# Altium PCB PCB1.PcbDoc (part 1 of 2) (continued)
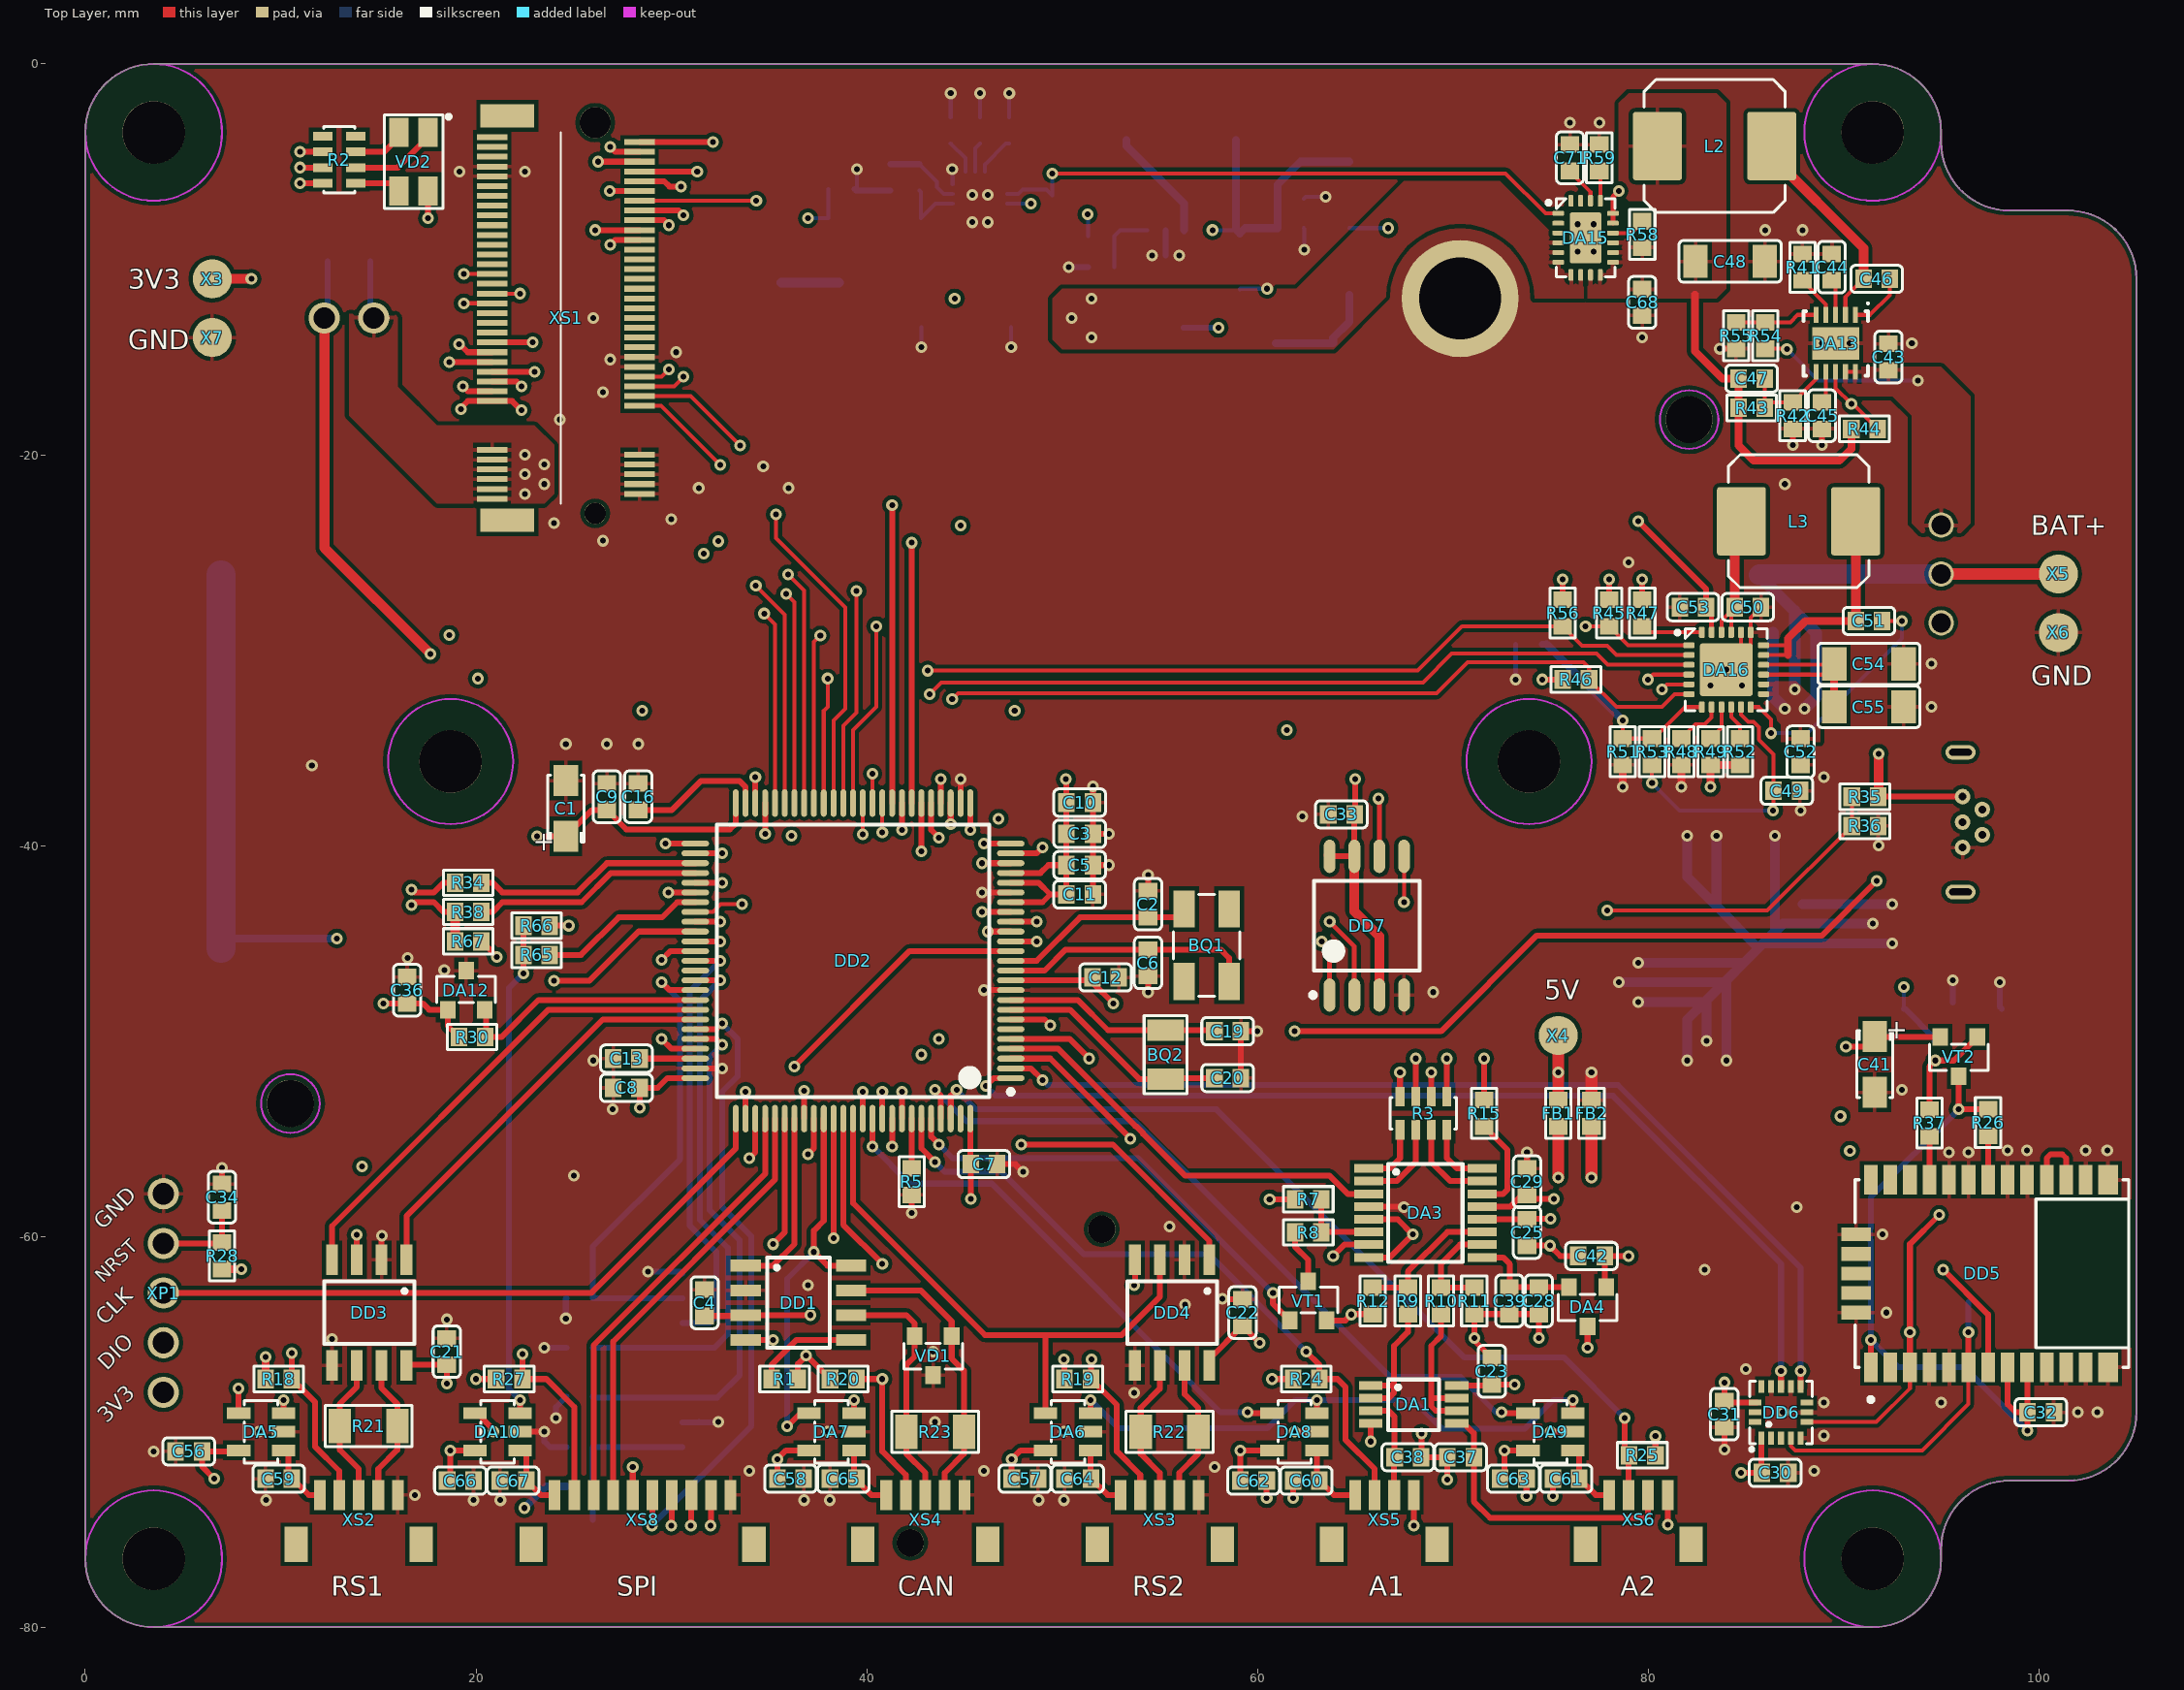
[diagram p0: Top Layer view]
## Footprints (in the part's own frame and the unit in brackets; to place one, negate y for a bottom-side part, rotate by r counter-clockwise, add the part's x,y. Pads: shape width x height; smd on the part's side, far side on the other; paste and mask are expansions set on the pad) (continued)
LED_RGB [mm]
  rect 1.5x1 smd: 1(-1.5,0.75) 2(1.5,0.75) 3(1.5,-0.75) 4(-1.5,-0.75)
  silkscreen extent -2.4,-1.5 2.4,1.9, body extent -1.75,-1.4 1.75,1.4, height 1.9
LGA-16 [mm]
  rect 0.65x0.3 smd mask+0.05: 1(-1.325,1) 2(-1.325,0.5) 3(-1.325,0) 4(-1.325,-0.5) 5(-1.325,-1) 9(1.325,-1) 10(1.325,-0.5) 11(1.325,0) 12(1.325,0.5) 13(1.325,1)
  rect 0.3x0.65 smd mask+0.05: 6(-0.5,-1.325) 7(0,-1.325) 8(0.5,-1.325) 14(0.5,1.325) 15(0,1.325) 16(-0.5,1.325)
  silkscreen extent -1.98,-1.6 1.6,1.6, body extent -1.5,-1.5 1.5,1.5, height 1.01
LQFP100 [mm]
  oval 1.4x0.3 smd: 1(-8.075,6) 2(-8.075,5.5) 3(-8.075,5) 4(-8.075,4.5) 5(-8.075,4) 6(-8.075,3.5) 7(-8.075,3) 8(-8.075,2.5) 9(-8.075,2) 10(-8.075,1.5) 11(-8.075,1) 12(-8.075,0.5) 13(-8.075,0) 14(-8.075,-0.5) 15(-8.075,-1) 16(-8.075,-1.5) 17(-8.075,-2) 18(-8.075,-2.5) 19(-8.075,-3) 20(-8.075,-3.5) 21(-8.075,-4) 22(-8.075,-4.5) 23(-8.075,-5) 24(-8.075,-5.5) 25(-8.075,-6) 51(8.075,-6) 52(8.075,-5.5) 53(8.075,-5) 54(8.075,-4.5) 55(8.075,-4) 56(8.075,-3.5) 57(8.075,-3) 58(8.075,-2.5) 59(8.075,-2) 60(8.075,-1.5) 61(8.075,-1) 62(8.075,-0.5) 63(8.075,0) 64(8.075,0.5) 65(8.075,1) 66(8.075,1.5) 67(8.075,2) 68(8.075,2.5) 69(8.075,3) 70(8.075,3.5) 71(8.075,4) 72(8.075,4.5) 73(8.075,5) 74(8.075,5.5) 75(8.075,6)
  oval 0.3x1.4 smd: 26(-6,-8.075) 27(-5.5,-8.075) 28(-5,-8.075) 29(-4.5,-8.075) 30(-4,-8.075) 31(-3.5,-8.075) 32(-3,-8.075) 33(-2.5,-8.075) 34(-2,-8.075) 35(-1.5,-8.075) 36(-1,-8.075) 37(-0.5,-8.075) 38(0,-8.075) 39(0.5,-8.075) 40(1,-8.075) 41(1.5,-8.075) 42(2,-8.075) 43(2.5,-8.075) 44(3,-8.075) 45(3.5,-8.075) 46(4,-8.075) 47(4.5,-8.075) 48(5,-8.075) 49(5.5,-8.075) 50(6,-8.075) 76(6,8.075) 77(5.5,8.075) 78(5,8.075) 79(4.5,8.075) 80(4,8.075) 81(3.5,8.075) 82(3,8.075) 83(2.5,8.075) 84(2,8.075) 85(1.5,8.075) 86(1,8.075) 87(0.5,8.075) 88(0,8.075) 89(-0.5,8.075) 90(-1,8.075) 91(-1.5,8.075) 92(-2,8.075) 93(-2.5,8.075) 94(-3,8.075) 95(-3.5,8.075) 96(-4,8.075) 97(-4.5,8.075) 98(-5,8.075) 99(-5.5,8.075) 100(-6,8.075)
  silkscreen extent -8.2,-6.97 6.98,6.98, body extent -8,-8 8,8, height 1.6
M.2 [mm]
  rect 1.2x2.75 smd: 0(-10.35,3) 0(10.35,3)
  round 1.1 hole 1.1 unplated: 0(-10,-1.5)
  round 1.6 hole 1.6 unplated: 0(10,-1.5)
  rect 0.3x1.55 smd: 1(-9.25,3.775) 2(-8.75,3.775) 3(-8.25,3.775) 4(-7.75,3.775) 5(-7.25,3.775) 6(-6.75,3.775) 7(-4.25,3.775) 8(-3.75,3.775) 9(-3.25,3.775) 10(-2.75,3.775) 11(-2.25,3.775) 12(-1.75,3.775) 13(-1.25,3.775) 14(-0.75,3.775) 15(-0.25,3.775) 16(0.25,3.775) 17(0.75,3.775) 18(1.25,3.775) 19(1.75,3.775) 20(2.25,3.775) 21(2.75,3.775) 22(3.25,3.775) 23(3.75,3.775) 24(4.25,3.775) 25(4.75,3.775) 26(5.25,3.775) 27(5.75,3.775) 28(6.25,3.775) 29(6.75,3.775) 30(7.25,3.775) 31(7.75,3.775) 32(8.25,3.775) 33(8.75,3.775) 34(9.25,3.775) 35(9,-3.775) 36(8.5,-3.775) 37(8,-3.775) 38(7.5,-3.775) 39(7,-3.775) 40(6.5,-3.775) 41(6,-3.775) 42(5.5,-3.775) 43(5,-3.775) 44(4.5,-3.775) 45(4,-3.775) 46(3.5,-3.775) 47(3,-3.775) 48(2.5,-3.775) 49(2,-3.775) 50(1.5,-3.775) 51(1,-3.775) 52(0.5,-3.775) 53(0,-3.775) 54(-0.5,-3.775) 55(-1,-3.775) 56(-1.5,-3.775) 57(-2,-3.775) 58(-2.5,-3.775) 59(-3,-3.775) 60(-3.5,-3.775) 61(-4,-3.775) 62(-4.5,-3.775) 63(-7,-3.775) 64(-7.5,-3.775) 65(-8,-3.775) 66(-8.5,-3.775) 67(-9,-3.775)
  silkscreen extent -9.5,0.25 9.5,0.25, body extent -10.95,-4.3 10.95,4.4, height 4.09
MSOP8 [mm]
  rect 1.2x0.45 smd: 1(-2.2,0.975) 2(-2.2,0.325) 3(-2.2,-0.325) 4(-2.2,-0.975) 5(2.2,-0.975) 6(2.2,-0.325) 7(2.2,0.325) 8(2.2,0.975)
  silkscreen extent -1.3,-1.32 1.3,1.28, body extent -2.47,-1.55 2.47,1.55, height 1.1
NFE61P [mm]
  rect 2x1.6 smd: 1(-3.4,0) 2(3.4,0)
  rect 1.5x2.6 smd: 3(0,0)
  silkscreen extent -3,-1 3,1, body extent -3.4,-0.8 3.4,0.8, height 1.6
PLS-2 [mm]
  round 1.6 hole 1.1: 1(-1.27,0) 2(1.27,0)
  body extent -2.54,-1.27 2.54,1.27, height 8.54
PLS-5 [mm]
  round 1.6 hole 1.1: 1(-5.08,0) 2(-2.54,0) 3(0,0) 4(2.54,0) 5(5.08,0)
  body extent -6.35,-1.3 6.35,1.24, height 8.54
R0603 [mm]
  rect 0.85x0.95 smd: 1(-0.675,0) 2(0.675,0)
  silkscreen extent -1.28,-0.65 1.28,0.65, body extent -0.8,-0.4 0.8,0.4, height 0.45
R1206 [mm]
  rect 1.15x1.75 smd: 1(-1.475,0) 2(1.475,0)
  silkscreen extent -2.22,-1.05 2.22,1.05, body extent -1.5,-0.77 1.51,0.78, height 0.55
SIM_CARD_READER2 [mm]
  round 1.4 hole 1.4 unplated: 0(0.935,7.885) 0(10.735,-8.165)
  rect 2.95x1.5 smd: 0(9.965,-10.275) 0(9.965,10.275)
  rect 2.3x1 smd: 1(-10.735,2.985) 2(-10.735,1.715) 3(-10.735,0.445) 4(-10.735,-0.825) 5(-10.735,-2.095) 6(-10.735,-3.365) 7(-10.735,-4.635) 8(-10.735,-5.905)
  silkscreen extent -11.4,-9.8 15.2,9.8, body extent -11.34,-10.39 15.16,10.56, height 1.94
SMTS-102 [mm]
  round 1.3 hole 1 mask+0.07: 1(-2.5,0) 2(0,0) 3(2.5,0)
  silkscreen extent -4.2,-2.7 4.2,2.7, body extent -4.1,-2.7 4.97,2.7, height 22.9
SOD323F [mm]
  rect 0.6x0.6 smd: 1(-1.1,0) 2(1.1,0)
  silkscreen extent -1.4,-0.8 1.4,0.8, body extent -1.35,-0.68 1.35,0.67, height 0.79
SOIC8 [mm]
  rect 1.55x0.6 smd: 1(-2.7,1.905) 2(-2.7,0.635) 3(-2.7,-0.635) 4(-2.7,-1.905) 5(2.7,-1.905) 6(2.7,-0.635) 7(2.7,0.635) 8(2.7,1.905)
  Top Layer region: -2.7,1.905 -2.7,1.905 -2.7,1.905 -2.7,1.905
  silkscreen extent -1.6,-2.29 1.6,2.31, body extent -3,-2.45 3,2.45, height 1.75
SOIC8_208 [mm]
  oval 1.7x0.6 smd: 1(-3.55,1.905) 2(-3.55,0.635) 3(-3.55,-0.635) 4(-3.55,-1.905) 5(3.55,-1.905) 6(3.55,-0.635) 7(3.55,0.635) 8(3.55,1.905)
  silkscreen extent -3.67,-2.7 2.3,2.88, body extent -4.1,-2.7 4.1,2.7, height 2.1
SON-10 [mm] "SON, 10-Leads, Body 3,00x3,00mm, Pitch 0,50mm, Thermal Pad 2,40x1,65mm, IPC Medium Density"
  rect 0.8x0.25 smd: 1(-1.46,1) 2(-1.46,0.5) 3(-1.46,0) 4(-1.46,-0.5) 5(-1.46,-1) 6(1.46,-1) 7(1.46,-0.5) 8(1.46,0) 9(1.46,0.5) 10(1.46,1)
  rect 1.65x2.4 smd: 11(0,0)
  silkscreen extent -2.1,-1.65 1.65,1.7, body extent -1.5,-1.5 1.5,1.5, height 0.87
SOT-23 [mm]
  rect 0.8x0.9 smd: 1(0.95,1) 2(-0.95,1) 3(0,-1)
  silkscreen extent -1.5,-0.7 1.5,0.63, body extent -1.46,-1.2 1.46,1.2, height 0.98
SOT-23-5 [mm]
  rect 1.2x0.6 smd: 1(-1.15,0.95) 2(-1.15,0) 3(-1.15,-0.95) 4(1.15,-0.95) 5(1.15,0.95)
  silkscreen extent -0.85,-1.6 0.85,1.6, body extent -1.5,-1.5 1.5,1.5, height 1.3
Test_point#1 [mm]
  round 2 smd mask+0.07: 1(0,0)
Test_point#2 [mm]
  round 2 smd mask+0.07: 1(0,0.2)
TSSOP-16 [mm]
  rect 1.5x0.45 smd: 1(-2.9,2.275) 2(-2.9,1.625) 3(-2.9,0.975) 4(-2.9,0.325) 5(-2.9,-0.325) 6(-2.9,-0.975) 7(-2.9,-1.625) 8(-2.9,-2.275) 9(2.9,-2.275) 10(2.9,-1.625) 11(2.9,-0.975) 12(2.9,-0.325) 13(2.9,0.325) 14(2.9,0.975) 15(2.9,1.625) 16(2.9,2.275)
  silkscreen extent -1.9,-2.5 1.9,2.5, body extent -3.25,-2.55 3.25,2.55, height 1.06
USB3145-30-1 [mm] "Vertical Micro USB"
  oval 0.75x1.55 hole 0.35 slot 1.15 at 90 deg mask+0.07: 0(-3.575,0.11) 0(3.575,0.11)
  round 0.8 hole 0.4 mask+0.07: 1(-1.3,0) 2(-0.65,-1) 3(0,0) 4(0.65,-1) 5(1.3,0)
  silkscreen extent -3.4,-2.25 3.4,1.75, body extent -3.7,-2.24 3.7,1.76, height 6
VQFN-24 [mm]
  rrect50% 0.58x0.3 smd mask+0.07: 1(-1.913,1.25) 2(-1.913,0.75) 3(-1.913,0.25) 4(-1.913,-0.25) 5(-1.913,-0.75) 6(-1.913,-1.25) 13(1.913,-1.25) 14(1.913,-0.75) 15(1.913,-0.25) 16(1.913,0.25) 17(1.913,0.75) 18(1.913,1.25)
  rrect50% 0.3x0.58 smd mask+0.07: 7(-1.25,-1.913) 8(-0.75,-1.913) 9(-0.25,-1.913) 10(0.25,-1.913) 11(0.75,-1.913) 12(1.25,-1.913) 19(1.25,1.913) 20(0.75,1.913) 21(0.25,1.913) 22(-0.25,1.913) 23(-0.75,1.913) 24(-1.25,1.913)
  rrect10% 2.7x2.7 smd mask+0.07: 25(0,0)
  silkscreen extent -2.6,-2.1 2.1,2.1, body extent -2.05,-2.05 2.05,2.05, height 1.05
WQFN-20 [mm]
  rrect50% 0.6x0.25 smd mask+0.07: 1(-1.4,1.25) 2(-1.4,0.75) 3(-1.4,0.25) 4(-1.4,-0.25) 5(-1.4,-0.75) 6(-1.4,-1.25) 11(1.4,-1.25) 12(1.4,-0.75) 13(1.4,-0.25) 14(1.4,0.25) 15(1.4,0.75) 16(1.4,1.25)
  rrect50% 0.25x0.6 smd mask+0.07: 7(-0.75,-1.9) 8(-0.25,-1.9) 9(0.25,-1.9) 10(0.75,-1.9) 17(0.75,1.9) 18(0.25,1.9) 19(-0.25,1.9) 20(-0.75,1.9)
  rrect10% 1.6x2.6 smd mask+0.07: 21(0,0)
  silkscreen extent -2,-2 1.5,2, body extent -1.51,-2.01 1.51,2.01, height 0.81
С0603 [mm]
  rect 0.85x0.95 smd: 1(-0.675,0) 2(0.675,0)
  silkscreen extent -1.32,-0.7 1.32,0.7, body extent -0.8,-0.4 0.8,0.4, height 0.9
СI1104М1V [mm] "4pin"
  rect 1.2x1.8 smd: 0(-2.7,-1.262) 0(2.7,-1.262)
  rect 0.6x1.55 smd: 1(-1.5,1.262) 2(-0.5,1.262) 3(0.5,1.262) 4(1.5,1.262)
  body extent -3,-1.86 3,1.04, height 4.25
СI1105М1V [mm] "5pin"
  rect 1.2x1.8 smd: 0(-3.2,-1.262) 0(3.2,-1.262)
  rect 0.6x1.55 smd: 1(-2,1.262) 2(-1,1.262) 3(0,1.262) 4(1,1.262) 5(2,1.262)
  body extent -3.5,-1.86 3.5,1.04, height 4.25
СI1110М1V [mm] "8pin"
  rect 1.2x1.8 smd: 0(-5.7,-1.262) 0(5.7,-1.262)
  rect 0.6x1.55 smd: 1(-4.5,1.262) 2(-3.5,1.262) 3(-2.5,1.262) 4(-1.5,1.262) 5(-0.5,1.262) 6(0.5,1.262) 7(1.5,1.262) 8(2.5,1.262) 9(3.5,1.262) 10(4.5,1.262)
  body extent -6,-1.86 6,1.04, height 4.25

## Part data
C30: library part C
DA3: library part ADC1220
DA5 DA6 DA7 DA8 DA9 DA10: library part STMPS21x1
DA11 DA12: library part DRV5032
DD3 DD4: library part MAX13487, "RS485"
DD5: "GPS"
DD6: "Accelerometr"
DD7: "RAM"
FB1 FB2: library part R
L1 L2 L3: library part L
R50: library part R_term_n
SA1: library part Button
VD2: library part LED_RGB
VD3: library part VD_sh
VT1: library part N-channel
VT2: library part P-channel
X2: library part 18650_holder
X3 X4 X5 X6 X7: library part Test_point
XP2: library part 2pin
XS2 XS3 XS4: library part 5pin
XS5 XS6: library part 4pin
XS7: library part USB
XS8: library part 10pin
Z1: library part Filter

## Free pads (board coordinates)
  round 3.2 hole 3.2 unplated: 0(3.5,-76.5) 0(3.5,-3.5) 0(91.5,-76.5) 0(91.5,-3.5)
  round 6 hole 4.2: 0(70.375,-12)

## Via types
v1: diameter 0.6, hole 0.3, Top Layer to Bottom Layer, tented both sides, 402 vias
v2: diameter 0.6, hole 0.3, Top Layer to Bottom Layer, 12 vias

## Nets (pads, with @x,y where several pads share a name; then routed paths per layer and width w, separated by ;. In a path a pad name is that pad's centre, name@x,y a point inside that pad or via, vN(x,y) a via of type N, cw(c..) or ccw(c..) an arc to the next point about the centre after c; other vN are vias at no path point)
2V5: C28.1 C39.1 DA3.9 DA4.2 | length 5.8
  Top Layer w0.3: DA3.9@71.5,-61.075 72.575,-61.075 72.924,-61.424 72.924,-62.601 DA4.2@75.95,-62.601
3V3: C1.1 C3.1 C4.1 C5.1 C7.1 C8.1 C9.1 C10.1 C11.1 C12.1 C21.1 C22.1 C29.1 C30.1 C31.1 C33.1 C35.1 C36.1 C41.1 C42.1 DA3.13 DA4.1 DA11.1 DA12.1 DD1.3 DD2.11 DD2.19 DD2.21 DD2.22 DD2.28 DD2.50 DD2.75 DD2.100 DD3.8 DD4.8 DD6.1 DD6.14 DD7.3 DD7.7 DD7.8 R1.1 R6.2 R16.1 R16.2 R18.1 R19.1 R20.1 R24.1 R25.1 R27.1 R28.2 R29.2 R30.2 R31.2 R32.2 R33.1 R45.2 R46.2 R47.2 R56.2 R66.2 R67.2 VD2.2 VT2.2 X3.1 XP1.1 XS1.59 XS1.60 Z1.2 | length 118.9
  Top Layer w0.2: XS1.60@28.375,-16.5 30.15,-16.5 30.625,-16.025 v1(30.625,-16) ; XS1.59@28.375,-16 29.5,-16 v1(29.875,-15.625)
  Top Layer w0.3: v1(15.25,-48.075) C36.1@16.475,-48.075 17.275,-48.075 17.6,-48.4 DA12.1@18.55,-48.4 18.55,-49.225 R30.2@19.125,-49.8 ; DD3.8@16.44,-66.6 16.465,-66.575 C21.1@18.5,-66.575 v1(18.5,-67.525) ; v1(17.55,-7.9) VD2.2@17.55,-6.5 ; v1(20,-67.3) R27.1@21.025,-67.3 ; R67.2@20.275,-44.9 v1(21.075,-45.7) v1@21.1,-45.7 ; v1(23.125,-39.525) C1.1@24.6,-39.525 25.95,-38.175 C9.1@26.7,-38.175 27.7,-39.175 33,-39.175 33.3,-38.875 DD2.50@33.3,-37.825 ; R66.2@23.775,-44.1 v1(24.75,-44.1) ; v1(28.375,-53.425) C8.1@28.375,-52.4 29.3,-52.4 29.8,-51.9 DD2.75@31.225,-51.9 ; C4.1@31.7,-64.075 33.76,-64.075 DD1.3@33.8,-64.035 37.115,-64.035 v1(37.125,-64.025) ; R1.1@36.475,-67.3 36.475,-66.525 v1(36.9,-66.1) 36.925,-66.1 R20.1@38.125,-67.3 ; v1(44.3,-38.9) DD2.28@44.3,-37.825 ; DD2.100@45.3,-53.975 45.3,-56.275 C7.1@45.325,-56.3 v1(45.325,-58.075) ; DD2.11@47.375,-46.9 51.4,-46.9 C12.1@51.55,-46.75 51.55,-47 v1(52.625,-48.075) ; DD2.19@47.375,-42.9 49,-42.9 49.4,-42.5 ; DD2.21@47.375,-41.9 48.8,-41.9 49.4,-42.5 ; DD2.22@47.375,-41.4 48.9,-41.4 49.3,-41 C5.1@50.225,-41 ; v1(50.1,-66.3) 50.125,-66.325 R19.1@50.125,-67.3 ; v1(50.2,-36.6) 50.225,-36.625 C10.1@50.225,-37.8 C3.1@50.225,-39.4 C5.1@50.225,-41 ; DD4.8@57.54,-66.6 57.54,-66.271 C22.1@59.235,-64.575 60.11,-65.45 v1(60.125,-65.45) ; v1(60.75,-67.3) R24.1@61.825,-67.3 ; DD7.8@63.695,-40.55 DD7.7@64.965,-40.55 64.965,-38.41 C33.1@64.975,-38.4 65,-38.375 v2(65,-36.6) ; DA3.13@71.5,-58.475 72.95,-58.475 73.55,-57.875 C29.1@73.8,-57.875 74,-58.075 v1(75.175,-58.075) v1@75.3,-58.075 ; v1(74.575,-31.5) R46.2@75.625,-31.5 ; R56.2@75.625,-27.425 v1(75.625,-26.375) ; DA4.1@77.85,-62.599 77.775,-62.524 C42.1@77.775,-61 v1(79,-61) ; R45.2@78,-27.425 v1(78,-26.375) ; R47.2@79.7,-27.425 v1(79.7,-26.375) ; R25.1@80.375,-71.2 v1(80.375,-70.225) ; v1(83.9,-67.475) C31.1@83.9,-68.425 83.975,-68.5 DD6.14@85.575,-68.5 ; v1(84.75,-72.1) C30.1@85.825,-72.1 85.8,-72.075 DD6.1@85.8,-70.225 ; v1(90.125,-50.3) 91.075,-50.3 C41.1@91.6,-49.775 ; C41.1@91.6,-49.8 VT2.2@94.95,-49.8 ; 49.4,-42.5 C11.1@50.225,-42.5 C5.1@50.225,-41
  Top Layer w0.4: R28.2@7,-61.67 7.995,-61.67 v1(8,-61.675) ; R18.1@9.225,-67.3 v1(9.225,-66.175)
  Top Layer w0.5: X3.1@6.5,-11 v1(8.5,-11) ; DD7.8@63.645,-40.5 DD7.8@63.695,-40.55 ; DD7.7@64.965,-40.55 64.965,-43.365 66.235,-44.635 DD7.3@66.235,-47.65
  Bottom Layer w0.4: R16.2@60.925,-14.3 R16.1@63.875,-14.3 63.875,-14.025 64.7,-13.2 Z1.2@64.7,-11.8
5V: C24.1 C56.2 C57.2 C58.2 C66.2 C72.1 DA2.4 DA2.5 DA2.6 DA5.5 DA6.5 DA7.5 DA10.5 DA14.4 DA14.5 DA14.6 DA14.7 DA14.8 DA15.4 DA15.5 DA15.6 DA15.7 DA15.8 FB1.2 R4.2 R60.2 X4.1 | length 18
  Top Layer w0.3: v1(6.6,-72.4) 5.975,-71.775 C56.2@5.975,-71 7.8,-71 DA5.5@7.85,-70.95 ; C66.2@18.525,-72.5 18.675,-72.35 v1(18.675,-70.95) DA10.5@19.95,-70.95 ; C58.2@35.425,-72.4 v1(35.425,-71.4) 35.875,-70.95 DA7.5@37.05,-70.95 ; C57.2@47.425,-72.4 v1(47.425,-71.4) 47.875,-70.95 DA6.5@49.05,-70.95
  Top Layer w0.6: FB1.2@75.4,-53.025 v1(75.4,-51.6) X4.1@75.4,-49.725
  Bottom Layer w0.4: v1(22.475,-73.9) 23.59,-72.785 R4.2@24.625,-72.785
  other v1: 51.5,-14 50.5,-13 51.5,-12
5V_ADC: C23.1 C25.1 C62.2 C63.2 DA1.8 DA3.12 DA8.5 DA9.5 FB1.1 | length 15.1
  Top Layer w0.3: C62.2@59.125,-72.5 v1(59.125,-70.95) DA8.5@60.75,-70.95 ; DA1.8@70.201,-67.625 C23.1@71.95,-67.625 ; DA3.12@71.5,-59.125 C25.1@73.8,-59.125 ; C23.1@71.999,-67.575 v1(73.175,-67.575) v1@73.2,-67.6 ; C63.2@72.425,-72.4 72.65,-72.175 v1(72.65,-70.95) DA9.5@73.85,-70.95 ; C25.1@73.8,-59.225 C25.1@73.8,-59.125 ; v1(75,-59.1) 73.825,-59.1 C25.1@73.8,-59.125
  Top Layer w0.6: v1(75.4,-57) FB1.1@75.4,-54.375
5V_BAT: C47.1 C48.1 C68.1 DA15.9 DA15.10 DA15.11 DA15.12 DA15.13 L2.1 R43.2 R44.1 R58.2 | length 16.5
  Top Layer w0.4: 82.4,-11.8 82.4,-14.7 83.8,-16.1 C47.1@84.625,-16.1 R43.2@84.625,-17.6 84.625,-19.525 85.4,-20.3 89.8,-20.3 90.4,-19.7 R44.1@90.4,-18.675
5V_POE: C53.2 C69.1 DA14.9 DA14.10 DA14.11 DA14.12 DA14.13 DA16.23 R17.1 R17.2 R39.2 R63.2 VD3.1 XP2.2 XS1.1 XS1.2 XS1.3 XS1.4 XS1.5 XS1.6 | length 54.2
  Top Layer w0.25: C53.2@82.975,-27.8 83.25,-28.075 DA16.23@83.25,-29.087
  Top Layer w0.3: v2(79.5,-23.4) 82.975,-26.875 C53.2@82.975,-27.8
  IN1 w0.3: v2(44.5,-12) 44.5,-14.3 53.6,-23.4 v2(79.5,-23.4)
  Bottom Layer w0.3: VD3.1@14.6,-10.1 14.6,-12.83 XP2.2@14.77,-13
  Bottom Layer w0.5: R17.2@35.625,-11.2 R17.1@38.575,-11.2
  other v1: 22.5,-22 23.5,-21.5 22.5,-21 23.5,-20.5 22.5,-20
5V_USB: R35.1 VD3.2 XP2.1 XS7.1 | length 105.2
  Top Layer w0.3: R35.1@91.775,-37.5 XS7.1@96.1,-37.5
  Top Layer w0.5: XP2.1@12.245,-13.025 12.245,-24.77 v1(17.675,-30.2) ; R35.1@91.775,-37.5 91.8,-37.475 v2(91.8,-35.3)
  IN1 w0.5: v1(17.675,-30.2) 77.3,-30.2 82.4,-35.3 v2(91.8,-35.3)
  Bottom Layer w0.3: XP2.1@12.23,-13 12.4,-12.83 VD3.2@12.4,-10.1
ACC_IN1: DD2.1 DD6.11 | length 52.3
  Top Layer w0.3: v1(46.1,-52.3) 46.5,-51.9 DD2.1@47.375,-51.9 ; DD6.11@86.8,-67.775 86.8,-67 v1(86.8,-66.9)
  Bottom Layer w0.3: v1(46.1,-52.3) 46.6,-52.8 78.2,-52.8 86.8,-61.4 v1(86.8,-66.9)
ACC_IN2: DD2.2 DD6.9 | length 50.8
  Top Layer w0.3: DD2.2@47.375,-51.4 48.4,-51.4 v1(49,-52) ; DD6.9@87.8,-67.775 v1(87.8,-66.9)
  Bottom Layer w0.3: v1(49,-52) 49.25,-52.25 78.45,-52.25 87.8,-61.6 v1(87.8,-66.9)
ADC_CLK: DA3.3 DD2.4 | length 21.4
  Top Layer w0.3: DD2.4@47.375,-50.4 49.8,-50.4 53.75,-54.35 53.769,-54.35 54.15,-54.731 54.15,-54.75 56.3,-56.9 63.7,-56.9 64.625,-57.825 DA3.3@65.7,-57.825
ADC_READY: DD2.7 R15.2 | length 27.1
  Top Layer w0.3: DD2.7@47.375,-48.9 49.1,-48.9 v1(49.4,-49.2) ; R15.2@71.5,-52.925 71.6,-52.825 v1(71.6,-50.9)
  IN1 w0.3: v1(49.4,-49.2) 50.8,-49.2 51.8,-50.2 70.9,-50.2 v1(71.6,-50.9)
AGND: C23.2 C25.2 C28.2 C37.2 C38.2 C39.2 C42.2 C60.2 C61.2 C62.1 C63.1 DA1.4 DA3.5 DA3.8 DA4.3 DA8.2 DA9.2 FB2.1 R11.2 R12.2 VT1.2 XS5.4 XS6.4 | length 35.2
  Top Layer w0.3: v1(60.475,-73.4) C62.1@60.475,-72.5 ; v1(61.825,-73.4) C60.2@61.825,-72.5 ; v1(61.9,-70) DA8.2@63.05,-70 ; VT1.2@63.55,-64.299 64.501,-64.299 v1(64.8,-64) 64.825,-63.975 R12.2@65.901,-63.975 ; DA3.8@65.7,-61.075 66.775,-61.075 v1(67.95,-59.9) 67.175,-59.125 DA3.5@65.7,-59.125 ; v1@65.801,-70.499 DA1.4@65.801,-69.575 ; v1(68,-74.8) XS5.4@68,-73.238 ; v1(68.4,-70.1) 68.4,-71.125 68.3,-71.225 C38.2@68.375,-71.3 C37.2@69.725,-71.3 v1(69.725,-72.45) ; C23.2@71.999,-66.225 71.101,-65.327 v1(71.101,-65.199) R11.2@71.101,-63.975 C39.2@72.9,-63.975 ; C39.2@72.9,-63.975 C28.2@74.4,-63.976 ; v1(73.775,-73.3) C63.1@73.775,-72.4 ; C25.2@73.8,-60.475 v1(74.975,-60.475) 75.5,-61 C42.2@76.425,-61 ; v1(74.4,-65.2) C28.2@74.4,-63.976 ; v1(75,-70) DA9.2@76.15,-70 ; v1(75.125,-73.3) C61.2@75.125,-72.4 ; v1(76.9,-65.7) DA4.3@76.9,-64.599 ; v1(81,-74.75) XS6.4@81,-73.238
  Top Layer w0.6: v1(77.1,-57) FB2.1@77.1,-54.375
  other v1: 65.8,-70.5
AN1_CONNECTED: DD2.95 R24.2 XS5.2 | length 34.9
  Top Layer w0.3: DD2.95@42.8,-53.975 42.8,-55.5 v1(43.5,-56.2) ; v1(62.5,-65.9) 63.175,-66.575 R24.2@63.175,-67.3 64.1,-67.3 64.5,-67.7 64.5,-70.4 66,-71.9 XS5.2@66,-73.238
  Bottom Layer w0.3: v1(43.5,-56.2) 44,-56.7 46.9,-56.7 51.1,-60.9 57.5,-60.9 v1(62.5,-65.9)
AN1_SIGNAL: C38.1 DA1.3 XS5.3 | length 5.4
  Top Layer w0.3: DA1.3@65.801,-68.925 66.725,-68.925 67.025,-69.225 C38.1@67.025,-71.3 67,-71.325 XS5.3@67,-73.238
AN1_VCC_EN: DA8.4 DD2.90 | length 27.5
  Top Layer w0.3: v1(40.3,-55.4) DD2.90@40.3,-53.975 ; v1(59.5,-69) 59.55,-69.05 DA8.4@60.75,-69.05
  Bottom Layer w0.3: v1(40.3,-55.4) 42.2,-57.3 46.4,-57.3 58.1,-69 v1(59.5,-69)
AN2_CONNECTED: DD2.98 R25.2 XS6.2 | length 46.8
  Top Layer w0.3: DD2.98@44.3,-53.975 44.3,-52.8 v1(44.6,-52.5) ; v1(78.8,-69.3) 78.8,-70.975 R25.2@79.025,-71.2 79,-71.225 XS6.2@79,-73.238
  Bottom Layer w0.3: v1(44.6,-52.5) 45.6,-53.5 57.9,-53.5 70.6,-66.2 75.7,-66.2 v1(78.8,-69.3)
AN2_SIGNAL: C37.1 DA1.5 XS6.3 | length 15
  Top Layer w0.3: DA1.5@70.201,-69.575 70.575,-69.575 71.075,-70.075 C37.1@71.075,-71.3 71.075,-73.575 71.9,-74.4 79.9,-74.4 80,-74.3 XS6.3@80,-73.238
AN2_VCC_EN: DA9.4 DD2.97 | length 38.8
  Top Layer w0.3: v1(43.5,-52.5) 43.8,-52.8 DD2.97@43.8,-53.975 ; v1(72.5,-69) 72.55,-69.05 DA9.4@73.85,-69.05
  Bottom Layer w0.3: v1(43.5,-52.5) 45.1,-54.1 53.7,-54.1 66.8,-67.2 70.4,-67.2 72.2,-69 v1(72.5,-69)
BAT+: C52.2 DA16.13 DA16.14 SA1.2 X2.4 X5.1 | length 31.8
  Top Layer w0.6: SA1.2@95,-26.1 X5.1@101,-26.1
  Bottom Layer w0.6: X2.4@85.65,-26.15 X2.4@87.5,-28 ; X2.4@86.4,-29.1 86.4,-32.4 v1(87,-33) ; v1(87.5,-32) X2.4@87.5,-28 ; v1(88,-33) 88.6,-32.4 88.6,-29.1 X2.4@87.5,-28
  Bottom Layer w1: X2.4@85.65,-26.15 85.7,-26.1 SA1.2@95,-26.1
BAT/2: R49.2 R52.2 X2.2 X2.3 | length 106.2
  Top Layer w0.4: v1(83.2,-37) R49.2@83.2,-35.875 R52.2@84.7,-35.875
  IN1 w0.4: v1(12.875,-44.75) 17.325,-40.3 24.6,-40.3 30.8,-34.1 v1(61.5,-34.1) 66.125,-34.1 71.875,-39.85 80.35,-39.85 v1(83.2,-37)
  Bottom Layer w0.4: X2.2@6.95,-45.25 7.45,-44.75 v1(12.875,-44.75)
  Bottom Layer w1.5: X2.2@6.95,-45.25 X2.3@6.95,-26.15
BAT/4: DA3.6 R7.2 R8.2 | length 3.8
  Top Layer w0.3: R8.2@63.276,-59.8 R8.2@63.3,-59.775 ; R8.2@63.275,-59.799 R7.2@63.275,-58.1 ; R8.2@63.6,-59.775 DA3.6@65.7,-59.775
BAT_MES_EN: DD2.96 VT1.1 | length 23.5
  Top Layer w0.3: DD2.96@43.3,-53.975 43.3,-54.9 v1(43.7,-55.3) ; v1(60.8,-62.9) 60.8,-63.45 VT1.1@61.65,-64.299
  Bottom Layer w0.3: v1(43.7,-55.3) 44.4,-56 53.9,-56 v1(60.8,-62.9)
BAT_SW: C43.1 DA13.9 DA13.10 R7.1 R54.1 SA1.3 | length 72.3
  Top Layer w0.2: R54.1@86,-14.575 87.075,-14.575 v1(87.1,-14.6) ; DA13.9@90.1,-15.76 DA13.10@90.6,-15.76 ; C43.1@92.215,-15.76 C43.1@92.3,-15.675 C43.1@92.425,-15.8
  Top Layer w0.3: v1(60.625,-58.1) R7.1@61.925,-58.1 ; v2(61.9,-49.5) 69.4,-49.5 74.3,-44.6 88.9,-44.6 v2(91.7,-41.8)
  IN2 w0.3: v1(60.625,-58.1) 61.9,-56.825 v2(61.9,-49.5) ; v2(91.7,-41.8) 93.8,-39.7 93.8,-24.8 SA1.3@95,-23.6
  Bottom Layer w0.2: v1(87.1,-14.6) 88.7,-16.2 v1(93.8,-16.2)
C\S\_ADC: DD2.5 R3.7 | length 23.1
  Top Layer w0.3: DD2.5@47.375,-49.9 50.4,-49.9 51.375,-50.875 v1(51.375,-50.9) ; R3.7@68.1,-52.85 v1(68.1,-50.9)
  IN1 w0.3: v1(51.375,-50.9) v1(68.1,-50.9)
CAN1_RX: DD1.4 DD2.81 | length 13
  Top Layer w0.3: DD1.4@33.8,-65.305 35.195,-65.305 v1(35.2,-65.3) ; v1(35.2,-60.4) 35.8,-59.8 DD2.81@35.8,-53.975
  IN2 w0.3: v1(35.2,-65.3) v1(35.2,-60.4)
CAN1_TX: DD1.1 DD2.82 | length 9.4
  Top Layer w0.3: DD1.1@33.8,-61.495 35.205,-61.495 36.3,-60.4 DD2.82@36.3,-53.975
CAN_CONNECTED: DD2.87 R20.2 XS4.2 | length 21.9
  Top Layer w0.3: DD2.87@38.8,-53.975 38.8,-59.4 v1(40.8,-61.4) ; R20.2@39.475,-67.3 v1(40.8,-67.3) 40.8,-71 42,-72.2 XS4.2@42,-73.238
  IN2 w0.3: v1(40.8,-67.3) v1(40.8,-61.4)
CAN_H: DD1.7 R23.1 VD1.1 XS4.4 | length 15.4
  Top Layer w0.3: DD1.7@39.2,-62.765 42.765,-62.765 44.35,-64.35 VD1.1@44.35,-65.1 44.35,-66.25 44.975,-66.875 R23.1@44.975,-70 44.975,-71.125 44,-72.1 XS4.4@44,-73.238
CAN_L: DD1.6 R23.2 VD1.2 XS4.3 | length 12.8
  Top Layer w0.3: DD1.6@39.2,-64.035 42.035,-64.035 42.45,-64.45 VD1.2@42.45,-65.1 42.45,-66.15 42.025,-66.575 R23.2@42.025,-70 42.025,-71.125 43,-72.1 XS4.3@43,-73.238
CAN_VCC_EN: DA7.4 DD1.8 DD2.85 | length 20.1
  Top Layer w0.3: v1(35.925,-69.725) 36.6,-69.05 DA7.4@37.05,-69.05 ; DD2.85@37.8,-53.975 37.8,-59.2 37.3,-59.7 v1(37.3,-60.8) 37.995,-61.495 DD1.8@39.2,-61.495
  Bottom Layer w0.3: v1(35.925,-69.725) 35.925,-62.175 v1(37.3,-60.8)
CH_CD: DA16.3 DD2.37 | length 50.2
  Top Layer w0.2: v1(39.8,-39.425) DD2.37@39.8,-37.825 ; v1(43.225,-32.25) 43.825,-31.65 68.475,-31.65 69.95,-30.175 77.35,-30.175 77.925,-30.75 DA16.3@82.087,-30.75
  IN2 w0.2: v1(39.8,-39.425) 39.8,-37.925 41.15,-36.575 41.15,-34.325 v1(43.225,-32.25)
CH_I\N\T\: DA16.6 DD2.35 R46.1 | length 49.9
  Top Layer w0.2: v1(40.8,-39.325) DD2.35@40.8,-37.825 ; v1(44.375,-32.5) 44.675,-32.2 69.175,-32.2 70.75,-30.625 76.7,-30.625 76.975,-30.9 R46.1@76.975,-31.5 78.375,-32.9 80.7,-32.9 81.35,-32.25 DA16.6@82.087,-32.25
  IN2 w0.2: v1(40.8,-39.325) 40.8,-37.95 41.725,-37.025 41.725,-35.15 v1(44.375,-32.5)
CH_P\G\: DA16.1 DD2.38 R45.1 | length 51.5
  Top Layer w0.2: DD2.38@39.3,-37.825 39.3,-34.1 40.5,-32.9 v1(40.5,-28.775) ; v1(76.8,-28.775) R45.1@78,-28.775 78.975,-29.75 DA16.1@82.087,-29.75
  IN1 w0.2: v1(40.5,-28.775) v1(76.8,-28.775)
CH_STATUS: DA16.2 DD2.36 R56.1 | length 48.5
  Top Layer w0.2: DD2.36@40.3,-37.825 v1(40.3,-36.325) ; v1(43.125,-31.05) 68.2,-31.05 70.475,-28.775 R56.1@75.625,-28.775 76.625,-29.775 77.9,-29.775 78.375,-30.25 DA16.2@82.087,-30.25
  IN2 w0.2: v1(40.3,-36.325) 40.3,-33.875 v1(43.125,-31.05)
CH_TS: DA16.7 R50.2 R51.2 R53.1 | length 11.4
  Top Layer w0.2: v1(78.7,-33.6) R51.2@78.7,-34.525 80.275,-34.525 81.887,-32.912 DA16.7@82.75,-32.912
  Bottom Layer w0.35: R50.2@74.575,-29.7 R50.2@74.8,-29.7
  Bottom Layer w0.4: R50.2@74.8,-29.7 v1(78.7,-33.6)
CS_FLASH: DD2.15 DD7.1 | length 18.8
  Top Layer w0.25: v2(63.3,-44.9) 63.695,-45.295 DD7.1@63.695,-47.65
  Top Layer w0.3: DD2.15@47.375,-44.9 48.5,-44.9 v1(48.7,-44.9)
  IN1 w0.3: v1(48.7,-44.9) v2(63.3,-44.9)
ETH_CRS_DV: DD2.32 XS1.38 | length 39.8
  Top Layer w0.3: XS1.38@28.375,-5.5 v1(31.325,-5.5) ; DD2.32@42.3,-37.825 v1(42.3,-24.5)
  IN2 w0.3: v1(31.325,-5.5) 31.975,-6.15 31.975,-14.175 v1(42.3,-24.5)
ETH_MDC: DD2.16 XS1.40 | length 62.5
  Top Layer w0.3: v1(26.85,-6.5) XS1.40@28.375,-6.5 ; v1(46.2,-44.4) DD2.16@47.375,-44.4
  IN1 w0.2: v1(28.5,-33.1) v1(47.575,-33.1)
  IN2 w0.2: v1(26.85,-6.5) 25,-8.35 25,-29.6 v1(28.5,-33.1)
  IN2 w0.3: v1(46.2,-44.4) 47.575,-43.025 v1(47.575,-33.1)
ETH_MDIO: DD2.25 XS1.39 | length 43.7
  Top Layer w0.3: XS1.39@28.375,-6 29.625,-6 29.9,-6.275 v1(30.5,-6.275) ; v1(46,-39.9) DD2.25@47.375,-39.9
  IN2 w0.3: v1(30.5,-6.275) 31.45,-7.225 31.45,-14.725 46,-29.275 v1(46,-39.9)
ETH_REF_CLK: DD2.24 XS1.41 | length 46.9
  Top Layer w0.2: XS1.41@28.375,-7 v1(34.35,-7)
  Top Layer w0.3: DD2.24@47.375,-40.4 48.7,-40.4 v1(49,-40.1)
  IN2 w0.2: v1(34.35,-7) 34.35,-12.15 49,-26.8 v1(49,-40.1)
ETH_RXD0: DD2.33 XS1.35 | length 51.3
  Top Layer w0.3: XS1.35@28.375,-4 v1(32.125,-4) ; v1(41.8,-39.2) DD2.33@41.8,-37.825
  IN1 w0.3: v1(41.8,-39.2) 42.775,-38.225 46.35,-38.225 v1(46.75,-38.625)
  IN2 w0.3: v1(32.125,-4) 33.4,-5.275 33.4,-13.55 46.75,-26.9 v1(46.75,-38.625)
ETH_RXD1: DD2.34 XS1.36 | length 43.7
  Top Layer w0.3: v1(26.875,-4.25) 27.125,-4.5 XS1.36@28.375,-4.5 ; DD2.34@41.3,-37.825 v1(41.3,-22.575)
  IN2 w0.3: v1(26.875,-4.25) 27.275,-4.65 31.575,-4.65 32.65,-5.725 32.65,-13.925 v1(41.3,-22.575)
ETH_TX_EN: DD2.48 XS1.43 | length 33.7
  Top Layer w0.3: XS1.43@28.375,-8 29.625,-8 v1(29.875,-8.25) ; DD2.48@34.3,-37.825 v1(34.3,-36.5)
  IN2 w0.3: v1(29.875,-8.25) 29.075,-9.05 29.075,-23.625 30.85,-25.4 30.85,-33.05 v1(34.3,-36.5)
ETH_TXD0: DD2.51 XS1.44 | length 37
  Top Layer w0.3: v1(26.1,-8.5) XS1.44@28.375,-8.5 ; v1(29.7,-39.9) DD2.51@31.225,-39.9
  IN2 w0.3: v1(26.1,-8.5) 26.1,-10.175 ; 26.325,-10.4 26.1,-10.175 ; v1(29.7,-39.9) 29.7,-25.975 27.675,-23.95 27.675,-11.75 26.1,-10.175
ETH_TXD1: DD2.52 XS1.45 | length 36.5
  Top Layer w0.3: v1(26.875,-9.25) 27.125,-9 XS1.45@28.375,-9 ; DD2.52@31.225,-40.4 v1(32.6,-40.4)
  IN2 w0.3: v1(26.875,-9.25) 28.425,-10.8 28.425,-23.85 30.2,-25.625 30.2,-38 v1(32.6,-40.4)